# Altium PCB USB3-PCIEv21.PcbDoc (part 1 of 2) (continued)
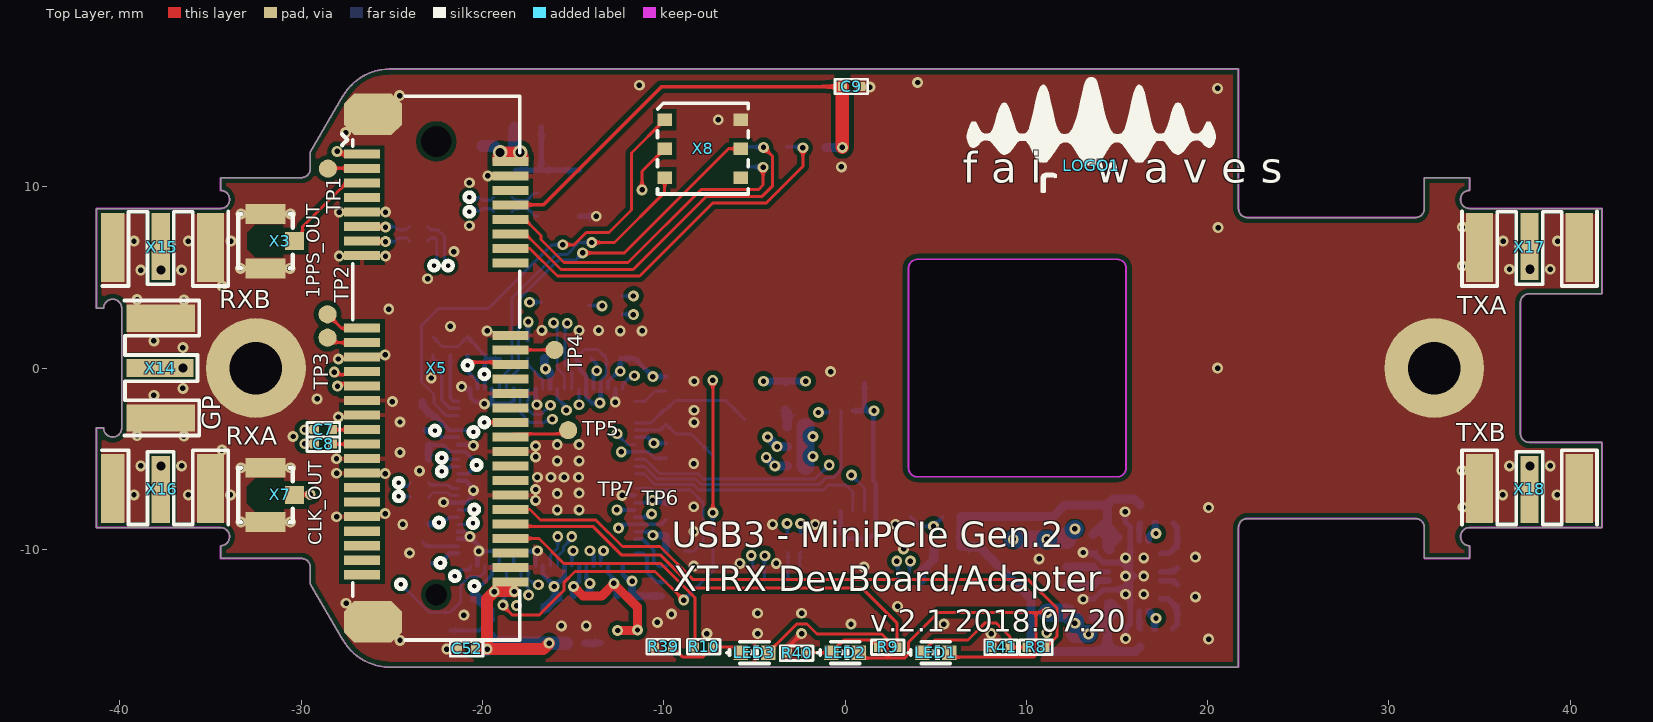
[diagram p0: Top Layer view]
## Components (designator, comment, footprint, x,y, rotation, side; value= is the part's Value field where it differs from the comment)
C1 "10uF" C0402-Phillips -20,11.75 r90 bottom
C2 "0.1uF" C0402-Phillips -2.425,-9.65 r270 bottom
C3 "0.1uF" C0402-Phillips -3.225,-9.65 r270 bottom
C4 "0.1uF" C0402-Phillips -18.65,10.925 r0 bottom
C5 "0.1uF" C0402-Phillips -23.475,-6.325 r0 bottom
C6 "0.1uF" C0402-Phillips -23.475,-7.125 r0 bottom
C7 "0.1uF" C0402-Phillips -28.775,-3.4 r180 top
C8 "0.1uF" C0402-Phillips -28.775,-4.2 r180 top
C9 "0.01uF" C0402-Phillips 0.35,15.525 r0 top
C10 "18pF" C0402-Phillips -9.375,-2.3 r180 bottom
C11 "18pF" C0402-Phillips -9.375,-3.1 r180 bottom
C12 "10uF" C0402-Phillips 12.175,-14.625 r0 bottom
C13 "10uF" C0402-Phillips 14.975,-14.375 r180 bottom
C14 "0.1uF" C0402-Phillips -23.475,-4.25 r180 bottom
C15 "1uF" C0402-Phillips 13.675,-13.25 r270 bottom
C16 "0.1uF" C0402-Phillips 0.576,-0.825 r180 bottom
C17 "0.1uF" C0402-Phillips -23.4,-2.65 r180 bottom
C18 "0.1uF" C0402-Phillips -23.4,-8.6 r180 bottom
C19 "0.01uF" C0402-Phillips -23.475,-5.05 r0 bottom
C20 "1000pF" C0402-Phillips 18.825,-11.95 r180 bottom
C21 "0.1uF" C0402-Phillips -13.375,-13.075 r270 bottom
C22 "0.1uF" C0402-Phillips -14.8,1.025 r90 bottom
C23 "0.01uF" C0402-Phillips -19.825,1 r270 bottom
C24 "0.1uF" C0402-Phillips -16.575,1.025 r90 bottom
C25 "0.01uF" C0402-Phillips -13.2,1.025 r270 bottom
C26 "1uF" C0402-Phillips -23.825,-1.85 r0 bottom
C27 "0.1uF" C0402-Phillips -11.75,-13.075 r270 bottom
C28 "0.1uF" C0402-Phillips -11.6,1.025 r90 bottom
C29 "0.1uF" C0402-Phillips -14,1.025 r90 bottom
C30 "0.01uF" C0402-Phillips -10.95,-13.075 r90 bottom
C31 "0.01uF" C0402-Phillips -9.375,-4.15 r180 bottom
C32 "1uF" C0402-Phillips -12.4,1.025 r270 bottom
C33 "0.1uF" C0402-Phillips -23.3,-10.75 r180 bottom
C34 "10uF" C0402-Phillips -14.175,-13.075 r90 bottom
C35 "0.1uF" C0402-Phillips -9.375,-4.975 r0 bottom
C36 "0.1uF" C0402-Phillips -9.375,-7.45 r0 bottom
C37 "0.01uF" C0402-Phillips -9.375,-8.375 r180 bottom
C38 "0.01uF" C0402-Phillips -9.375,-9.225 r180 bottom
C39 "0.1uF" C0402-Phillips -23.625,-3.45 r180 bottom
C40 "10uF" C0402-Phillips -9.375,-0.471 r180 bottom
C41 "1uF" C0402-Phillips 14.975,-8.55 r180 bottom
C42 "10uF" C0402-Phillips -19.025,1 r270 bottom
C43 "0.1uF" C0402-Phillips -17.075,-13.275 r180 bottom
C44 "1uF" C0402-Phillips -14.975,-13.075 r90 bottom
C45 "1000pF" C0402-Phillips 18.825,-11.025 r180 bottom
C46 "0.01uF" C0402-Phillips -15.775,-13.075 r90 bottom
C47 "10uF" C0402-Phillips 13.675,-9.675 r90 bottom
C48 "10uF" C0402-Phillips -20.45,-13.1 r90 bottom
C49 "10uF" C0402-Phillips -12.575,-13.075 r90 bottom
C50 "10uF" C0402-Phillips -10.125,-13.075 r90 bottom
C51 "10uF" C0402-Phillips 10.125,-9.971 r90 bottom
C52 "10uF" C0402-Phillips -20.879,-15.496 r180 top
L1 "BLM18SG221TN1" TI160808-Phillips -17.5,13.275 r180 bottom value=220
L2 "BLM18SG221TN1" TI160808-Phillips 5.65,-9.85 r0 bottom value=220
L3 "0.47uH" L-VLS201610HBX 12.25,-12.75 r90 bottom
L4 "0.47uH" L-VLS201610HBX -3.3,-1.575 r90 bottom
L5 "0.47uH" L-VLS201610HBX -12.75,-15.15 r0 bottom
L6 "0.47uH" L-VLS201610HBX 12.25,-10.225 r90 bottom
LED1 "WHITE" LED-0603YL 5,-15.7 r0 top
LED2 "WHITE" LED-0603YL 0,-15.7 r0 top
LED3 "WHITE" LED-0603YL -5,-15.7 r0 top
LOGO1 "© Fairwaves Inc." "Logo Fairwaves" 13.575,11.15 r0 top
R2 "51" R0402-Phillips -24.825,8.3 r90 bottom
R3 "51" R0402-Phillips -24.825,6.5 r270 bottom
R4 "33" R0402-Phillips -18.879,9.429 r0 bottom
R5 "33" R0402-Phillips -18.879,8.629 r0 bottom
R6 "24k" R0402-Phillips 5.9,-8.2 r0 bottom
R7 "47k" R0402-Phillips 3.1,-8.2 r0 bottom
R8 "330" R0402-Phillips 10.525,-15.4 r0 top
R9 "330" R0402-Phillips 2.35,-15.4 r0 top
R10 "330" R0402-Phillips -7.8,-15.375 r180 top
R11 "51" R0402-Phillips -20.204,9.929 r90 bottom
R12 "51" R0402-Phillips -20.204,8.129 r270 bottom
R13 "10k" R0402-Phillips -20.825,1.2 r90 bottom
R14 "10k" R0402-Phillips -22.725,1.2 r90 bottom
R15 "10k" R0402-Phillips -12.3,3.475 r270 bottom
R16 "10k" R0402-Phillips -9.375,-1.271 r0 bottom
R17 "10k" R0402-Phillips -21.775,1.2 r90 bottom
R18 "10k" R0402-Phillips -9.375,-10.1 r180 bottom
R19 "10k" R0402-Phillips -9.375,-11.8 r0 bottom
R20 "10k" R0402-Phillips -9.375,-10.925 r0 bottom
R21 "10k" R0402-Phillips -14.175,2.95 r270 bottom
R22 "10k" R0402-Phillips -21.775,-13.975 r270 bottom
R23 "1k6 1%" R0402-Phillips -23.8,-9.625 r180 bottom
R24 "0" R0402-Phillips -17.5,1.025 r270 bottom
R25 "2k" R0402-Phillips -16.775,3.2 r90 bottom
R26 "33" R0402-Phillips -23.525,7 r0 bottom
R27 "33" R0402-Phillips -23.525,7.8 r0 bottom
R28 "0" R0402-Phillips -2.675,-5.4 r0 bottom
R29 "0" R0402-Phillips -2.675,-4.325 r0 bottom
R30 "0" R0402-Phillips -2.687,-3.246 r0 bottom
R31 "0" R0402-Phillips -19.579,-14.375 r270 bottom
R32 "0" R0402-Phillips -14.875,-15.175 r180 bottom
R33 "120k" R0402-Phillips 17.575,-14.375 r180 bottom
R34 "27k" R0402-Phillips 18.825,-13.25 r0 bottom
R35 "120k" R0402-Phillips 16.275,-14.875 r270 bottom
R36 "120k" R0402-Phillips 16.275,-8.05 r270 bottom
R37 "120k" R0402-Phillips 17.6,-8.55 r0 bottom
R38 "180k" R0402-Phillips 18.825,-9.775 r180 bottom
R39 "10k" R0402-Phillips -10.025,-15.375 r180 top
R40 "10k" R0402-Phillips -2.675,-15.725 r180 top
R41 "10k" R0402-Phillips 8.6,-15.4 r180 top
TP1 "=Name" KP-C_d1mm#1 -28.525,11 r90 top
TP2 "=Name" KP-C_d1mm#1 -28.55,2.967 r90 top
TP3 "=Name" KP-C_d1mm#1 -28.55,1.675 r90 top
TP4 "=Name" KP-C_d1mm#1 -16.025,1 r90 top
TP5 "=Name" KP-C_d1mm#1 -15.275,-3.425 r90 top
TP6 "=Name" KP-C_d1mm#2 -10.675,-8.05 r90 top
TP7 "=Name" KP-C_d1mm#2 -12.586,-7.825 r90 top
U1 "100 MHz" XO5X3.2-6pin -15.8,9.65 r270 bottom
U2 "CAT25640YI-G" TSSOP-8 0.096,-5.129 r180 bottom value=64kbit
U3 "USB3380-AB50NI G" QFN-88(10x10/0.4mm)_pad -16.475,-6.025 r0 bottom locked
U4 "MIC23158YML" MLF-20(3X4/0.5)MIC 15.975,-11.475 r0 bottom
X1 "692622030100" "USB3.0-MICROB SMT" 2.9,-14.375 r180 bottom locked
X3 "0734120110" U_FL -31.975,7 r180 top
X5 "Connector PCIe MiniCard 1.55mm" "PCIe MiniCard 1.55mm conn" -22.55,12.5 r270 top locked value="XTRX Connector"
X6 "Connector SIM card" SIM_SF56S006V4BR2000-dig -3.7,8.2 r270 bottom locked
X7 "0734120110" U_FL -31.975,-7 r180 top
X8 "XTRX-JTAG" "Molex 78864-1001" -7.85,12.1 r90 top locked
X9 "0734120110" U_FL -38.15,0 r180 bottom locked
X10 "0734120110" U_FL -37.75,7 r90 bottom locked
X11 "0734120110" U_FL -37.75,-7 r270 bottom locked
X12 "0734120110" U_FL 37.75,7 r90 bottom locked
X13 "0734120110" U_FL 37.75,-7 r270 bottom locked
X14 "SMA edge SMD mount" "SMA - EDGE"#1 -39.9,0 r270 top locked value=S01-SJEDM-11BS00
X15 "SMA edge SMD mount" "SMA - EDGE"#2 -37.75,8.8 r180 top locked value=S01-SJEDM-11BS00
X16 "SMA edge SMD mount" "SMA - EDGE"#3 -37.75,-8.8 r0 top locked value=S01-SJEDM-11BS00
X17 "SMA edge SMD mount" "SMA - EDGE"#1 37.75,8.8 r180 top locked value=S01-SJEDM-11BS00
X18 "SMA edge SMD mount" "SMA - EDGE"#1 37.75,-8.8 r0 top locked value=S01-SJEDM-11BS00
Z1 "30.0MHz" ZQ_SMD2532 -6.4,-3.925 r270 bottom

## Footprints (in the part's own frame and the unit in brackets; to place one, negate y for a bottom-side part, rotate by r counter-clockwise, add the part's x,y. Pads: shape width x height; smd on the part's side, far side on the other; paste and mask are expansions set on the pad)
C0402-Phillips [mm]
  rect 0.5x0.5 smd: 1(-0.5,0) 2(0.5,0)
  silkscreen extent -0.9,-0.4 0.9,0.4, body extent -0.5,-0.3 0.5,0.3, height 0.5
KP-C_d1mm#1 [mm]
  round 1 smd: 1(0,0)
KP-C_d1mm#2 [mm]
  round 0.6 smd: 1(0,0)
L-VLS201610HBX [mm] "TDK Chip Inductor; Body 2.0 x 1.6 x 1.0 mm"
  rect 0.5x1.6 smd: 1(-0.75,0) 2(0.75,0)
  silkscreen extent -0.25,-0.87 0.25,0.87, body extent -1,-0.82 1,0.82, height 1.01
LED-0603YL [mm] "LED YELLOW 0603"
  rect 0.8x0.8 smd: 1(-0.75,0) 2(0.75,0)
  silkscreen extent -1.53,-0.6 0.8,0.6, body extent -1.09,-0.4 0.92,0.4, height 0.8
"Logo Fairwaves" [mm]
  silkscreen extent -6.86,-1.48 6.86,4.9
MLF-20(3X4/0.5)MIC [mm] "MIcrochip MLF-20, 3x4mm, Pitch 0.5mm, Pad 1.6x2.6mm"
  rect 1.6x2.6 smd paste-2 mask+0: 0(0,0)
  rrect50% 0.5x0.25 smd mask+0.07: 1(-1.45,1.25) 2(-1.45,0.75) 3(-1.45,0.25) 4(-1.45,-0.25) 5(-1.45,-0.75) 6(-1.45,-1.25) 11(1.45,-1.25) 12(1.45,-0.75) 13(1.45,-0.25) 14(1.45,0.25) 15(1.45,0.75) 16(1.45,1.25)
  rrect50% 0.25x0.5 smd mask+0.07: 7(-0.75,-1.95) 8(-0.25,-1.95) 9(0.25,-1.95) 10(0.75,-1.95) 17(0.75,1.95) 18(0.25,1.95) 19(-0.25,1.95) 20(-0.75,1.95)
  silkscreen extent -1.85,-2.1 1.6,2.1, body extent -1.5,-2 1.5,2, height 0.86
"Molex 78864-1001" [mm] "Spring connector, gap=1.2~1.6mm, pitch=1.6mm, 6pos"
  rect 0.7x0.8 smd: 1(1.6,2.1) 2(0,2.1) 3(-1.6,2.1) 4(-1.6,-2.1) 5(0,-2.1) 6(1.6,-2.1)
  silkscreen extent -2.5,-2.5 2.5,2.5, body extent -2.4,-2.5 2.4,2.5, height 2
"PCIe MiniCard 1.55mm conn" [mm] "PCIe MiniCard connector full size with mounting nuts"
  oct 2.3x3.2 smd: 0(-1.5,-3.5) 0(26.5,-3.5)
  rect 0.5x2 smd mask+0.05: 1(0.7,-4.1) 2(1.1,4.1) 3(1.5,-4.1) 4(1.9,4.1) 5(2.3,-4.1) 6(2.7,4.1) 7(3.1,-4.1) 8(3.5,4.1) 9(3.9,-4.1) 10(4.3,4.1) 11(4.7,-4.1) 12(5.1,4.1) 13(5.5,-4.1) 14(5.9,4.1) 15(6.3,-4.1) 16(6.7,4.1) 17(10.3,-4.1) 18(10.7,4.1) 19(11.1,-4.1) 20(11.5,4.1) 21(11.9,-4.1) 22(12.3,4.1) 23(12.7,-4.1) 24(13.1,4.1) 25(13.5,-4.1) 26(13.9,4.1) 27(14.3,-4.1) 28(14.7,4.1) 29(15.1,-4.1) 30(15.5,4.1) 31(15.9,-4.1) 32(16.3,4.1) 33(16.7,-4.1) 34(17.1,4.1) 35(17.5,-4.1) 36(17.9,4.1) 37(18.3,-4.1) 38(18.7,4.1) 39(19.1,-4.1) 40(19.5,4.1) 41(19.9,-4.1) 42(20.3,4.1) 43(20.7,-4.1) 44(21.1,4.1) 45(21.5,-4.1) 46(21.9,4.1) 47(22.3,-4.1) 48(22.7,4.1) 49(23.1,-4.1) 50(23.5,4.1) 51(23.9,-4.1) 52(24.3,4.1)
  round 0 hole 1.7 unplated: MH0(0,0)
  round 0 hole 1.2 unplated: MH0(25,0)
  silkscreen extent -2.5,-5.2 27.5,4.6, body extent -2.45,-4.55 27.45,4.54, height 4
QFN-88(10x10/0.4mm)_pad [mm] "QFN, 88-Leads, 10x10mm, Pitch 0,4mm, Zero mask exp"
  rect 5.4x5.4 smd paste-3: 0(0,0)
  rrect50% 0.75x0.23 smd mask+0: 1(-4.875,4.2) 2(-4.875,3.8) 3(-4.875,3.4) 4(-4.875,3) 5(-4.875,2.6) 6(-4.875,2.2) 7(-4.875,1.8) 8(-4.875,1.4) 9(-4.875,1) 10(-4.875,0.6) 11(-4.875,0.2) 12(-4.875,-0.2) 13(-4.875,-0.6) 14(-4.875,-1) 15(-4.875,-1.4) 16(-4.875,-1.8) 17(-4.875,-2.2) 18(-4.875,-2.6) 19(-4.875,-3) 20(-4.875,-3.4) 21(-4.875,-3.8) 22(-4.875,-4.2) 45(4.875,-4.2) 46(4.875,-3.8) 47(4.875,-3.4) 48(4.875,-3) 49(4.875,-2.6) 50(4.875,-2.2) 51(4.875,-1.8) 52(4.875,-1.4) 53(4.875,-1) 54(4.875,-0.6) 55(4.875,-0.2) 56(4.875,0.2) 57(4.875,0.6) 58(4.875,1) 59(4.875,1.4) 60(4.875,1.8) 61(4.875,2.2) 62(4.875,2.6) 63(4.875,3) 64(4.875,3.4) 65(4.875,3.8) 66(4.875,4.2)
  rrect50% 0.23x0.75 smd mask+0: 23(-4.2,-4.875) 24(-3.8,-4.875) 25(-3.4,-4.875) 26(-3,-4.875) 27(-2.6,-4.875) 28(-2.2,-4.875) 29(-1.8,-4.875) 30(-1.4,-4.875) 31(-1,-4.875) 32(-0.6,-4.875) 33(-0.2,-4.875) 34(0.2,-4.875) 35(0.6,-4.875) 36(1,-4.875) 37(1.4,-4.875) 38(1.8,-4.875) 39(2.2,-4.875) 40(2.6,-4.875) 41(3,-4.875) 42(3.4,-4.875) 43(3.8,-4.875) 44(4.2,-4.875) 67(4.2,4.875) 68(3.8,4.875) 69(3.4,4.875) 70(3,4.875) 71(2.6,4.875) 72(2.2,4.875) 73(1.8,4.875) 74(1.4,4.875) 75(1,4.875) 76(0.6,4.875) 77(0.2,4.875) 78(-0.2,4.875) 79(-0.6,4.875) 80(-1,4.875) 81(-1.4,4.875) 82(-1.8,4.875) 83(-2.2,4.875) 84(-2.6,4.875) 85(-3,4.875) 86(-3.4,4.875) 87(-3.8,4.875) 88(-4.2,4.875)
  silkscreen extent -5.4,-5 5,5, body extent -5,-5 5,5, height 0.86
R0402-Phillips [mm]
  rect 0.5x0.5 smd: 1(-0.5,0) 2(0.5,0)
  silkscreen extent -0.9,-0.4 0.9,0.4, body extent -0.5,-0.3 0.5,0.3, height 0.2
SIM_SF56S006V4BR2000-dig [mm] "JAE push-push, micro SIM card holder"
  rect 1.1x1 smd: 0(-7.55,-6.9)
  rect 1.4x1.2 smd: 0(-7.4,6.8)
  rect 2.35x1.2 smd: 0(6.475,6.4)
  rect 1.3x1.75 smd: 0(7.45,-2.87)
  rect 0.8x1.2 smd: 1(-4,-2.66) 2(-4,-0.47) 3(-4,1.72) 5(-2.9,-2.66) 6(-2.9,-0.47) 7(-2.9,1.72)
  rect 0.65x1 smd: 8(7.775,-1)
  Top Layer keep-out region: 3.85,2.8 7.225,2.8 7.225,-1.8 3.85,-1.8
  Top Layer keep-out region: -2.275,2.8 2.475,2.8 2.475,-3.8 -2.275,-3.8
  Top Layer keep-out region: -7.9,2.85 -4.625,2.85 -4.625,-4.275 -7.9,-4.275
  silkscreen extent -9,-7.3 8.1,7.3, body extent -9.1,-7.2 8,7.2, height 1.22
"SMA - EDGE"#1 [mm] "RF connector SMA edge"
  rect 1x3.7 smd: 1(0,2.1)
  rect 1.5x3.8 smd: 2(-2.75,2.15) 2(2.75,2.15)
  rect 1.5x3.8 smd far side: 2(-2.75,2.15) 2(2.75,2.15)
  silkscreen extent -3.72,0.15 3.72,4.28, body extent -3.25,-9.7 3.25,3.83, height 3.74
"SMA - EDGE"#2 [mm] "RF connector SMA edge"
  rect 1x3.7 smd: 1(0,2.1)
  rect 1.5x3.8 smd: 2(-2.75,2.15)
  rect 1.5x3.8 smd far side: 2(-2.75,2.15)
  rect 1.3x3.8 smd: 2(2.65,2.15)
  rect 1.3x3.8 smd far side: 2(2.65,2.15)
  silkscreen extent -3.72,0.15 3.22,4.28, body extent -3.25,-9.7 3.25,3.83, height 3.74
"SMA - EDGE"#3 [mm] "RF connector SMA edge"
  rect 1x3.7 smd: 1(0,2.1)
  rect 1.3x3.8 smd: 2(-2.65,2.15)
  rect 1.3x3.8 smd far side: 2(-2.65,2.15)
  rect 1.5x3.8 smd: 2(2.75,2.15)
  rect 1.5x3.8 smd far side: 2(2.75,2.15)
  silkscreen extent -3.25,0.15 3.72,4.28, body extent -3.25,-9.7 3.25,3.83, height 3.74
TI160808-Phillips [mm]
  rect 0.8x0.8 smd: 1(-0.75,0) 2(0.75,0)
  silkscreen extent -1.45,-0.69 1.45,0.69, body extent -0.86,-0.45 0.85,0.45, height 0.9
TSSOP-8 [mm]
  rect 0.3x1.65 smd: 1(-0.975,-2.775) 2(-0.325,-2.775) 3(0.325,-2.775) 4(0.975,-2.775) 5(0.975,2.775) 6(0.325,2.775) 7(-0.325,2.775) 8(-0.975,2.775)
  silkscreen extent -1.8,-2.9 1.55,1.55, body extent -1.42,-3.19 1.58,3.09, height 1.09
U_FL [mm] "Ultraminiature Coax Connector (UMCC)"
  rect 1.05x1 smd: 1(-1.6,0)
  rect 2.2x1.1 smd: 2(0,1.5) 2(0,-1.5)
  Top Layer pour cut-out: -1,0.925 0.55,0.925 1.025,0.45 1.025,-0.45 0.55,-0.925 -1,-0.925
  silkscreen extent -1.5,-1.5 1.5,1.5, body extent -1.55,-1.5 1.3,1.5, height 1.25
"USB3.0-MICROB SMT" [mm] "Wurth, 692622030100, uUSB 3.0 VERTICAL SMT TYPE B"
  rect 1.8x1.9 smd: 0(-4,0)
  rect 1.9x1.9 smd: 0(-1.075,0) 0(1.075,0) 0(4.05,0) 0(6.55,0)
  rect 2.3x1.9 smd: 0(9.1,0)
  rect 0.4x1.35 smd mask+0.074: 1(-1.3,2.65) 2(-0.65,2.65) 3(0,2.65) 4(0.65,2.65) 5(1.3,2.65) 6(5.4,2.65) 7(6.05,2.65) 8(6.7,2.65) 9(7.35,2.65) 10(8,2.65)
  silkscreen extent -4,1.25 9.4,3.32, body extent -4.02,-2.75 9.78,2.95, height 2.75
XO5X3.2-6pin [mm] "XO 6-pin with ballance output"
  rect 0.64x1.1 smd: 1(-1.27,-1.15) 2(0,-1.15) 3(1.27,-1.15) 4(1.27,1.15) 5(0,1.15) 6(-1.27,1.15)
  silkscreen extent -2.63,-1.98 2.63,1.75, body extent -2.54,-1.65 2.54,1.65, height 0.85
ZQ_SMD2532 [mm] "Quartz crystall SMD 2532 Qantek Tech"
  rect 1.3x1.2 smd: 1(-1.1,-0.85) 2(1.1,-0.85) 3(1.1,0.85) 4(-1.1,0.85)
  silkscreen extent -1.95,-1.9 1.95,1.65, body extent -1.6,-1.25 1.6,1.25, height 1.11

## Part data
C1 C12 C13 C15 C20 C26 C32 C34 C40 C41 C42 C44 C45 C47 C48 C49 C50 C51 C52: library part C0402, "Capacitor", Manufacturer=MuRata, Tolerance=20%, Name=SMD0402
  C1 C12 C13 C34 C40 C42 C47 C48 C49 C50 C51 C52: Link=https://octopart.com/search?q=0402%2010uF%206.3V&start=0, U/P/TKE=X5R/6.3V
  C15 C26 C32 C41 C44: Link=https://octopart.com/grm155r61a105ke15d-murata-197442, U/P/TKE=X5R/10V
  C20 C45: Link=http://www.digikey.com/product-detail/en/GRM155R71H102KA01D/490-1303-2-ND/587225, U/P/TKE=X7R/50V
C2 C3 C4 C5 C6 C7 C8 C9 C14 C16 C17 C18 C19 C21 C22 C23 C24 C25 C27 C28 C29 C30 C31 C33 C35 C36 C37 C38 C39 C43 C46: library part C0402, "Capacitor", Manufacturer=YAGEO, Tolerance=20%, Name=SMD0402
  C2 C3 C4 C5 C6 C7 C8 C14 C16 C17 C18 C21 C22 C24 C27 C28 C29 C33 C35 C36 C39 C43: Link=http://www.digikey.com/product-detail/en/CC0402KRX5R7BB104/311-1347-1-ND/2103131, U/P/TKE=X5R/25V
  C9 C19 C23 C25 C30 C31 C37 C38 C46: Link=https://octopart.com/search?q=CC0402%2010000pF%20X7R&start=0, U/P/TKE=X7R/10V
C10 C11: library part C0402, "Capacitor", Manufacturer=Yageo, Tolerance=10%, Link=https://octopart.com/search?q=CC0402%2018pF%20C0G%205%25&start=0, Name=SMD0402, U/P/TKE=C0G/10V
L1 L2: library part TI160808, "EMI ferrite bead", Manufacturer=MURATA, Link=https://octopart.com/blm18sg221tn1d-murata-7742616, Name=BLM18SG221TN1, U/P/TKE=2.5A/40mOhm
L3 L4 L5 L6: library part L-VLS20161xHBX-1, "Coil", Manufacturer=TDK, Link=https://octopart.com/vls201610hbx-r47m-1-tdk-52458594, Name=VLS201610HBX-R47M-1, U/P/TKE=2.8A/35mOhm
LED1 LED2 LED3: library part LED0603GR_Lite-On, "LED WHITE", Manufacturer="Lite-On Inc", Link=https://octopart.com/ltw-c190da5-lite-on-20324489?r=sp&s=07WAyZa6SYa5jtmHD_gN_Q, Name=LTW-C190DA5, U/P/TKE="100mcd, 2.7V/5mA, -30+85°C"
LOGO1: library part "Logo Fairwaves", Name="© Fairwaves Inc."
R2 R3 R4 R5 R6 R7 R8 R9 R10 R11 R12 R13 R14 R15 R16 R17 R18 R19 R20 R21 R22 R24 R25 R26 R27 R28 R29 R30 R31 R32 R39 R40 R41: library part R0402, "Resistor", Manufacturer=BOURNS, Tolerance=5%, Name=CR0402-JW, U/P/TKE=50V/60mW/200ppm
R23 R33 R34 R35 R36 R37 R38: library part R0402, "Resistor", Manufacturer=BOURNS, Tolerance=1%, Name=CR0402-JW, U/P/TKE=50V/60mW/200ppm
TP1 TP2 TP3 TP4 TP5 TP6 TP7: library part KP40X40, "Test point", Manufacturer=PCB
U1: library part XO_5x3.2_6pin, "Cristal Oscillator HSCL", Manufacturer="Abracon LLC", Link=https://octopart.com/asflmphc-100.000mhz-lr-t-abracon-20254895?r=sp&s=Tmbu10t_QBWQQgEx7Dnw4A, Name=ASFLMPHC-100.000MHZ-LR-T, U/P/TKE=2.26~3.6V/HSCL/25ppm
U2: library part CAT25640, "IC SPI CMOS EEPROM", Manufacturer="ON Semi", Link=https://octopart.com/cat25640yi-g-on+semiconductor-13132660?r=sp&s=sj-Wom8UQsSSkL3DnHra1A, Name=CAT25640YI-G
U3: library part USB3380, "IC", Manufacturer="PLX Tech", Link=https://octopart.com/usb3380-ab50ni+g-avago-51854480, Misc="PCIe gen 2 to USB 3.0 controller", Name="USB3380-AB50NI G"
U4: library part MIC23158_9, "IC dual 2A step down DCDC", Manufacturer=MIcrochip, Link=https://octopart.com/mic23158yml-t5-microchip-66800781?r=sp&s=2B-5sdHiQDiFSNDW-gVygQ, Name=MIC23158YML, Swap=No, U/P/TKE="2.7-5.5V to 1.0-3.3V/2A"
X1: library part USB3.0-MicroB, "Connector microUSB3.0-Type B", Manufacturer=Wurth, Link=https://octopart.com/692622030100-w%C3%BCrth+elektronik-19667821, Name=USB3.0-MicroB
X3 X7 X9 X10 X11 X12 X13: library part U_FL, "Connector (UMCC)", Manufacturer=Molex, Link=https://octopart.com/0734120110-molex-16756629, Name=0734120110
  X3: Misc=1PPS_OUT
  X7: Misc=CLK_OUT
  X9: Misc="GPS UFL"
  X10: Misc="RXB UFL"
  X11: Misc="RXA  UFL"
  X12: Misc="TXA UFL"
  X13: Misc="TXB UFL"
X5: library part "PCIe MiniCard conn h1.55mm", Manufacturer="JAE Electronics", Link=https://octopart.com/mm60-52b1-g1-r850-jae+electronics-19499790, Name=MM60-52B1-G1
X6: library part "SIM micro push-push", Manufacturer=JAE, Link=https://octopart.com/sf56s006v4br2000-jae+electronics-55772495, Name=SF56S006V4BR2000, Volume="SIM micro push-push"
X8: library part "Conn Molex_788641001", "Connector board to board", Manufacturer=Molex, Link=https://octopart.com/78864-1001-molex-52668680?r=sp&s=CalIQCkHRmWKRIBINWJXJg, Misc="Connector board to board, 6 spring contacts", Name=78864-1001
X14 X15 X16 X17 X18: library part "SMA EDGE SMD", "Connector coaxial", Manufacturer=RFSupplier, Link=https://rfsupplier.com/sma-jack-female-connector-straight-solder_p3413.html, Name="SMA edge SMD mount"
  X14: Misc="GPS SMA"
  X15: Misc="RXB SMA"
  X16: Misc="RXA SMA"
  X17: Misc="TXA SMA"
  X18: Misc="TXB SMA"
Z1: library part ZQ2.5x3.2-SMD, "Quartz crystall SMD", Manufacturer=Abracon, Link=https://octopart.com/abm8g-30.000mhz-18-d2y-t-abracon-12676610, Name=ABM8G-30.000MHZ-18-D2Y-T, U/P/TKE=-40+85C/<100ppm

## Free pads (board coordinates)
  round 5.5 hole 2.9: 0(-32.5,0) 0(32.5,0)

## Via types
v1: diameter 0.6, hole 0.3, Top Layer to Bottom Layer, tented both sides, 240 vias
v2: diameter 0.601, hole 0.3, Top Layer to Bottom Layer, tented bottom, 16 vias
v3: diameter 0.6, hole 0.3, Top Layer to Bottom Layer, tented bottom, 16 vias
v4: diameter 0.8, hole 0.5, Top Layer to Bottom Layer, tented both sides, 7 vias

## Nets (pads, with @x,y where several pads share a name; then routed paths per layer and width w, separated by ;. In a path a pad name is that pad's centre, name@x,y a point inside that pad or via, vN(x,y) a via of type N, cw(c..) or ccw(c..) an arc to the next point about the centre after c; other vN are vias at no path point)
1PPS_IN: TP1.1 X5.3 | length 1.9
  Top Layer w0.165: TP1.1@-28.525,11 -28.5,11.025 X5.3@-26.65,11.025
1PPS_OUT: X3.1 X5.5 | length 5.3
  Top Layer w0.165: X3.1@-30.375,7 -29.925,7.45 -29.925,7.8 -27.55,10.175 X5.5@-26.625,10.175
+1.0V: C51.2 L6.2 R28.2 R29.2 R30.2 R37.1 U4.10 | length 30.3
  Int Layer 1 w1: v1(-1.775,-4.875) v1(-1.775,-3.775) -0.25,-3.775 3.2,-7.225 7.05,-7.225 v1(9.275,-9.45) v1(11.125,-9.45) 12.1,-9.45 v1(12.675,-8.875) 16.9,-8.875 v1(17.15,-9.125) 17.4,-9.375
  Bottom Layer w0.381: U4.10@16.725,-9.525 16.725,-9.3 16.9,-9.125 v1(17.15,-9.125) 17.1,-9.075 R37.1@17.1,-8.55
  Bottom Layer w1: R30.2@-2.187,-3.246 -2.187,-4.325 -2.187,-5.388 R28.2@-2.175,-5.4 ; v1(9.275,-9.45) v1(11.125,-9.45) L6.2@12.225,-9.45 ; L6.2@12.25,-9.475 12.25,-9.3 v1(12.675,-8.875)
+3.3V: C1.2 C12.2 C52.1 L1.2 L3.1 LED1.2 LED2.2 LED3.2 R31.2 R32.2 R33.2 U4.17 X5.2 X5.52 | length 96
  Top Layer w0.165: LED3.2@-4.25,-15.7 -2.667,-14.117 -2.108,-14.117 -1.55,-14.675 2.025,-14.675 2.35,-15 2.35,-16 ; LED2.2@0.75,-15.7 1.05,-16 2.35,-16 ; LED1.2@5.75,-15.7 6,-15.95 10.4,-15.95 10.525,-15.825 10.525,-13.475 ; v1@11.163,-13.475 v1(11.15,-13.475) 10.525,-13.475 ; 2.35,-16 3.277,-16 3.5,-15.777 3.5,-15.125 5.15,-13.475 10.525,-13.475
  Top Layer w0.5: v1(-19.353,-12.339) v1@-19.339,-12.325 ; v4@-19,11.9 -19.2,11.7 -19.2,11.425 -19.175,11.4 X5.2@-18.45,11.4 X5.2@-18.425,11.4 ; v4(-17.925,11.9) v4@-17.9,11.875 ; v4@-17.9,11.9 -17.7,11.7 X5.2@-17.7,11.45
  Top Layer w0.65: C52.1@-20.379,-15.496 v1@-19.746,-15.496 ; v1(-19.353,-12.339) -19.746,-12.732 v1@-19.746,-15.496 ; v1@-19.339,-12.325 -19.314,-12.3 -18.275,-12.3 v1(-18.25,-12.325) ; v4@-19,11.9 v4(-17.925,11.9) ; v1(-16.325,-15.175) -16.65,-15.5 v1(-19.75,-15.5) v1@-19.746,-15.496
  Int Layer 2 w0.75: v1@-19.826,-15.424 -19.826,-12.812 ; -19.776,-12.737 v1@-19.294,-12.255 ; v1@-19.265,-12.251 v1@-18.325,-12.251
  Int Layer 2 w1: v1@-19.826,-15.424 v1(-19.75,-15.5) -16.65,-15.5 v1(-16.325,-15.175) -15.9,-15.6 8.444,-15.6 10.569,-13.475 v1(11.15,-13.475) 12.075,-13.475 v1(12.675,-14.075) 12.7,-14.075 v1@13.3,-14.675 ; v1(13.425,-14.675) 14.3,-13.8 v1(17.15,-13.8)
  Bottom Layer w0.381: U4.17@16.725,-13.425 17.1,-13.8 v1(17.15,-13.8) 17.075,-13.875 R33.2@17.075,-14.375
  Bottom Layer w0.65: C1.2@-20,12.25 -19.375,12.25 v4(-19.025,11.9) v4(-17.925,11.9) -18.25,12.225 L1.2@-18.25,13.275
  Bottom Layer w0.75: v1(-19.75,-15.5) v1@-19.579,-15.329 ; v1@-19.725,-15.495 -19.579,-15.349 v1@-19.579,-15.329 ; R31.2@-19.579,-14.875 v1@-19.579,-15.329 ; R32.2@-15.375,-15.175 v1(-16.325,-15.175) -19.425,-15.175 v1@-19.579,-15.329
  Bottom Layer w1: v1(11.15,-13.475) 11.175,-13.5 L3.1@12.25,-13.5 12.675,-13.925 C12.2@12.675,-14.625 12.675,-14.64 12.71,-14.675 v1(13.425,-14.675)
+5VBUS: L2.1 X1.1 | length 2.2
  Bottom Layer w0.5: X1.1@4.2,-11.725 4.2,-11.25 4.9,-10.55 L2.1@4.9,-9.85
AVCC+1.0V: C28.1 C32.2 C40.2 L4.2 U3.42 | length 18.6
  Int Layer 2 w0.381: v1(-12.4,-0.175) -12.01,0.215 -11.3,0.215 -10.613,-0.471 v1(-10.604,-0.471) -10.033,0.1 -5.325,0.1 v1(-4.5,-0.725) ; v1@-4.45,-0.825 -4.35,-0.725 v1(-2.175,-0.725)
  Bottom Layer w0.203: U3.42@-13.075,-1.15 -13.075,-0.738 -12.512,-0.175 v1(-12.4,-0.175)
  Bottom Layer w0.254: v1(-12.4,-0.175) C32.2@-12.4,0.525 C28.1@-11.6,0.525 v1(-10.604,-0.471) C40.2@-9.875,-0.471
  Bottom Layer w0.381: v1(-4.5,-0.725) -3.4,-0.725 L4.2@-3.3,-0.825 -3.2,-0.725 v1(-2.175,-0.725)
AVCC+3.3V: C33.1 C39.1 C44.2 C49.2 L5.2 U3.1 U3.17 U3.69 U3.73 | length 31.1
  Top Layer w0.5: v1(-14.975,-12.05) -14.45,-12.575 -13.435,-12.575 v1@-12.75,-11.89 ; v1(-12.75,-11.875) v1@-12.75,-11.89 ; v1(-12.55,-14.475) -11.475,-14.475 v1(-11.45,-14.45) -11.45,-13.19 v1@-12.75,-11.89
  Int Layer 1 w0.5: v1(-22.325,-10.75) -23.55,-11.975 -23.55,-13.175 -21.925,-14.8 -17.725,-14.8 -16.65,-15.875 -13.95,-15.875 v1(-12.55,-14.475) -11.475,-14.475 v1(-11.45,-14.45)
  Int Layer 2 w0.5: v1@-12.75,-11.89 v1(-12.75,-11.875)
  Bottom Layer w0.2: v1(-22.625,-3.45) -22.25,-3.825 U3.17@-21.35,-3.825
  Bottom Layer w0.203: U3.69@-13.075,-10.9 -13.075,-11.312 -12.767,-11.62 -12.75,-11.62 v1(-12.75,-11.875)
  Bottom Layer w0.254: C33.1@-22.775,-10.775 -22.525,-10.775 v1@-22.325,-10.575 ; v1(-22.325,-10.75) -21.8,-10.225 U3.1@-21.35,-10.225 ; v1(-14.975,-12.05) -14.675,-11.75 U3.73@-14.675,-10.9
  Bottom Layer w0.3: v1(-12.75,-11.875) v1@-12.575,-12.05
  Bottom Layer w0.381: C39.1@-23.125,-3.45 v1(-22.625,-3.45) ; C44.2@-14.975,-12.575 v1(-14.975,-12.05) ; C49.2@-12.575,-12.575 v1@-12.575,-12.05
BIAS: R24.2 U3.33 | length 2
  Bottom Layer w0.152: R24.2@-17.5,0.525 -17.5,0.181 -16.675,-0.644 U3.33@-16.675,-1.15
CLK0_N: R5.2 U1.4 | length 1.7
  Bottom Layer w0.15: R5.2@-18.379,8.629 -18.218,8.79 -17.515,8.79 -17.105,8.38 U1.4@-16.95,8.38
CLK0_P: R4.2 U1.5 | length 1.7
  Bottom Layer w0.15: R4.2@-18.379,9.429 -18.19,9.24 -17.56,9.24 -17.15,9.65 U1.5@-16.95,9.65
CPU_RXD: TP7.1 U3.60 | length 1
  Bottom Layer w0.203: v1(-12.586,-7.825) U3.60@-11.6,-7.825
CPU_TXD: TP6.1 U3.61 | length 1
  Bottom Layer w0.203: U3.61@-11.6,-8.225 -10.85,-8.225 v1(-10.675,-8.05)
DEBUG_SEL: R17.1 U3.22 | length 2.9
  Bottom Layer w0.203: R17.1@-21.775,0.7 -21.775,-1.658 -21.608,-1.825 U3.22@-21.35,-1.825
DVCC+1.0V: C14.1 C19.2 C22.1 C25.2 C27.1 C30.2 C35.1 C37.2 C43.1 C46.2 C50.2 R24.1 R29.1 U3.12 U3.15 U3.39 U3.41 U3.52 U3.62 U3.67 U3.71 U3.75 U3.78 | length 49.9
  Int Layer 1 w0.254: v1(-17.475,2.55) -17.475,-0.183 -16.717,-0.941 -14.525,-0.941 -13.541,-1.925 v1(-13.525,-1.925)
  Int Layer 1 w0.75: v1(-13.525,-1.925) -13.525,-2.225 -12.975,-2.775 -12.1,-2.775 -11.65,-3.225 ; v1(-12.35,-4.625) -11.65,-3.925 -11.65,-3.225 ; v1(-3.746,-4.329) v1(-4.271,-3.804) -4.292,-3.825 -9.088,-3.825 -9.688,-3.225 -11.65,-3.225
  Bottom Layer w0.152: C22.1@-14.8,0.525 -14.8,0.6 -14.375,1.025 -13.625,1.025 -13.2,0.6 C25.2@-13.2,0.525 -13.174,0.499 -13.174,-0.368 -13.475,-0.668 U3.41@-13.475,-1.15
  Bottom Layer w0.2: C14.1@-22.975,-4.25 -22.15,-4.25 -21.775,-4.625 U3.15@-21.35,-4.625 -20.94,-4.625 -20.325,-5.24 v1(-20.325,-5.35) -20.8,-5.825 U3.12@-21.325,-5.825 ; v1(-12.5,-8.825) -12.3,-8.625 U3.62@-11.6,-8.625 -11.575,-8.625 -11.003,-8.625 -10.125,-8.625 C37.2@-9.875,-8.375 ; v1(-12.35,-4.625) U3.52@-11.6,-4.625 -10.853,-4.625 -10.503,-4.975 -9.9,-4.975 C35.1@-9.875,-4.95
  Bottom Layer w0.254: R24.1@-17.5,1.525 -17.5,2.525 v1(-17.475,2.55) ; U3.78@-16.675,-10.9 -16.675,-11.379 -16.05,-12.004 v1(-16.05,-12.05) -15.475,-11.475 U3.75@-15.475,-10.9 ; C46.2@-15.825,-12.575 -15.8,-12.55 C46.2@-15.775,-12.575 ; C22.1@-14.8,0.525 -14.8,0.422 -14.647,0.269 -14.647,-0.069 -14.275,-0.441 U3.39@-14.275,-1.15 -14.275,-1.609 -13.959,-1.925 v1(-13.525,-1.925) -13.475,-1.875 U3.41@-13.475,-1.15 ; v1(-14.075,-10.075) -14.075,-10.15 -13.875,-10.35 U3.71@-13.875,-10.9 ; U3.67@-12.275,-10.9 -12.275,-11.375 v1@-11.775,-11.875
  Bottom Layer w0.381: C19.2@-22.975,-5.05 C14.1@-22.975,-4.25 ; v1@-16.051,-12.299 -15.975,-12.375 C46.2@-15.8,-12.55 ; v1@-16.05,-12.298 v1(-16.05,-12.05) ; v1@-11.75,-11.9 C27.1@-11.75,-12.575 C30.2@-10.95,-12.575 C50.2@-10.125,-12.575
  Bottom Layer w0.5: C43.1@-16.575,-13.275 -15.875,-12.575 C46.2@-15.825,-12.575
  Bottom Layer w0.508: v1(-4.271,-3.804) v1(-3.746,-4.329) -3.742,-4.325 R29.1@-3.175,-4.325
  other v1: -11.75,-11.75
DVCC+3.3V: C16.1 C18.1 C23.2 C24.1 C29.1 C31.2 C36.1 C38.2 C42.2 C48.2 R13.2 R14.2 R15.2 R18.2 R22.2 R31.1 U2.3 U2.7 U2.8 U3.6 U3.25 U3.34 U3.40 U3.50 U3.59 U3.63 U3.85 | length 57.2
  Int Layer 1 w0.5: v1(-16.525,-0.05) -16.4,-0.175 -13.701,-0.175 v1(-13.701,-0.15) -12.901,-0.95 -12.402,-0.95 -11.927,-1.425 0.667,-1.425 v1(1.596,-2.354)
  Bottom Layer w0.15: R14.2@-22.725,1.7 -22.2,1.175 -21.375,1.175 -21.225,1.325 -20.838,1.713 R13.2@-20.834,1.717
  Bottom Layer w0.2: v1@-22.4,-8.6 -22.325,-8.525 -22.138,-8.525 -21.865,-8.252 -21.797,-8.252 -21.77,-8.225 U3.6@-21.35,-8.225 ; R13.2@-20.834,1.717 -20.325,1.208 -20.325,1.146 -19.825,0.646 C23.2@-19.825,0.5 ; U3.25@-19.875,-1.15 -19.875,0.45 C23.2@-19.825,0.5 ; C42.2@-19.025,0.5 C23.2@-19.825,0.5 ; C29.1@-14,0.525 -13.7,0.225 ; U3.40@-13.875,-1.15 -13.875,-0.349 -13.701,-0.175 v1(-13.701,-0.15) -13.701,0.224 ; U3.50@-11.575,-3.825 -10.875,-3.825 v1(-10.55,-4.15) C31.2@-9.875,-4.15
  Bottom Layer w0.203: R22.2@-21.775,-14.475 -20.179,-14.475 R31.1@-19.579,-13.875 ; v1(-20.45,-12.025) -20.1,-12.025 -19.475,-11.4 U3.85@-19.475,-10.9 ; R15.2@-12.3,2.975 -11.7,2.975 v1(-11.675,2.95) ; U3.63@-11.575,-9.025 -10.8,-9.025 v1(-10.6,-9.225) ; U3.59@-11.575,-7.425 -10.75,-7.425 v1(-10.625,-7.3) ; v1@-10.6,-7.475 v1@-10.425,-7.3
  Bottom Layer w0.254: U3.34@-16.275,-1.15 -16.267,-1.142 -16.267,-0.975 -16.275,-0.967 -16.275,-0.349 ; U2.3@-0.229,-7.904 -0.229,-9.046 0.15,-9.425 1.325,-9.425 1.7,-9.05 1.7,-6.369 1.55,-6.219 v1@1.55,-2.4 ; U2.7@0.421,-2.354 U2.8@1.071,-2.354 ; C16.1@1.076,-0.825 1.071,-0.83 U2.8@1.071,-2.354 ; v1(1.596,-2.354) v1@1.55,-2.4 ; U2.8@1.071,-2.354 1.504,-2.354 v1@1.55,-2.4
  Bottom Layer w0.3: v1@-10.55,-9.25 v1@-10.525,-9.225
  Bottom Layer w0.381: C18.1@-22.9,-8.6 v1@-22.4,-8.6 ; v1@-10.525,-9.225 C38.2@-9.875,-9.225 R18.2@-9.875,-10.1 ; v1@-10.425,-7.3 -10.025,-7.3 C36.1@-9.875,-7.45
  Bottom Layer w0.5: C24.1@-16.575,0.525 -16.575,0 v1(-16.525,-0.05) -16.275,-0.3 -16.275,-0.349
  Bottom Layer w0.508: v1(-20.45,-12.025) C48.2@-20.45,-12.6 -20.35,-12.6 -19.58,-13.37 -19.58,-13.874 R31.1@-19.579,-13.875
  other v1: -22.4,-8.525 -19.9,-0.337
EECLK: U2.6 U3.54 | length 15.4
  Bottom Layer w0.15: U3.54@-11.575,-5.425 -11.074,-5.425 -10.374,-6.125 -8.245,-6.125 -7.945,-6.425 -1.426,-6.425 -1.051,-6.05 -0.65,-6.05 -0.229,-5.629 U2.6@-0.229,-2.354
EECS#: U2.1 U3.53 | length 15.2
  Int Layer 1 w0.15: v1(-0.875,-5.35) -0.204,-5.35 v1(0.35,-5.904)
  Bottom Layer w0.15: U3.53@-11.575,-5.025 -11.05,-5.025 -10.25,-5.825 -8.12,-5.825 -7.82,-6.125 -1.65,-6.125 v1(-0.875,-5.35) ; v1(0.35,-5.904) 1.071,-6.625 U2.1@1.071,-7.904
EERDDATA: U2.2 U3.55 | length 13.7
  Bottom Layer w0.15: U3.55@-11.575,-5.825 -11.099,-5.825 -10.499,-6.425 -8.369,-6.425 -8.069,-6.725 -1.196,-6.725 -0.921,-6.45 0.036,-6.45 0.421,-6.835 U2.2@0.421,-7.904
EEWRDATA: U2.5 U3.51 | length 13.5
  Int Layer 2 w0.15: v1(-12.575,-3.625) -10.333,-3.625 -6.934,-3.625 -5.759,-2.45 v1(-1.475,-2.45)
  Bottom Layer w0.15: v1(-12.575,-3.625) -12.575,-3.658 -12.008,-4.225 U3.51@-11.6,-4.225 U3.51@-11.575,-4.225 ; v1(-1.475,-2.45) -0.879,-2.45 U2.5@-0.879,-2.354
GEN1#: R21.1 U3.38 | length 7.9
  Int Layer 2 w0.152: v1(-14.675,-2.025) -14.675,-0.15 -13.025,1.5 -13.025,3.05 v1(-13.4,3.425)
  Bottom Layer w0.152: v1(-14.675,-2.025) U3.38@-14.675,-1.15 ; R21.1@-14.175,3.45 -13.425,3.45 v1(-13.4,3.425)